# KiCad board vme-wren.kicad_pcb (continued)
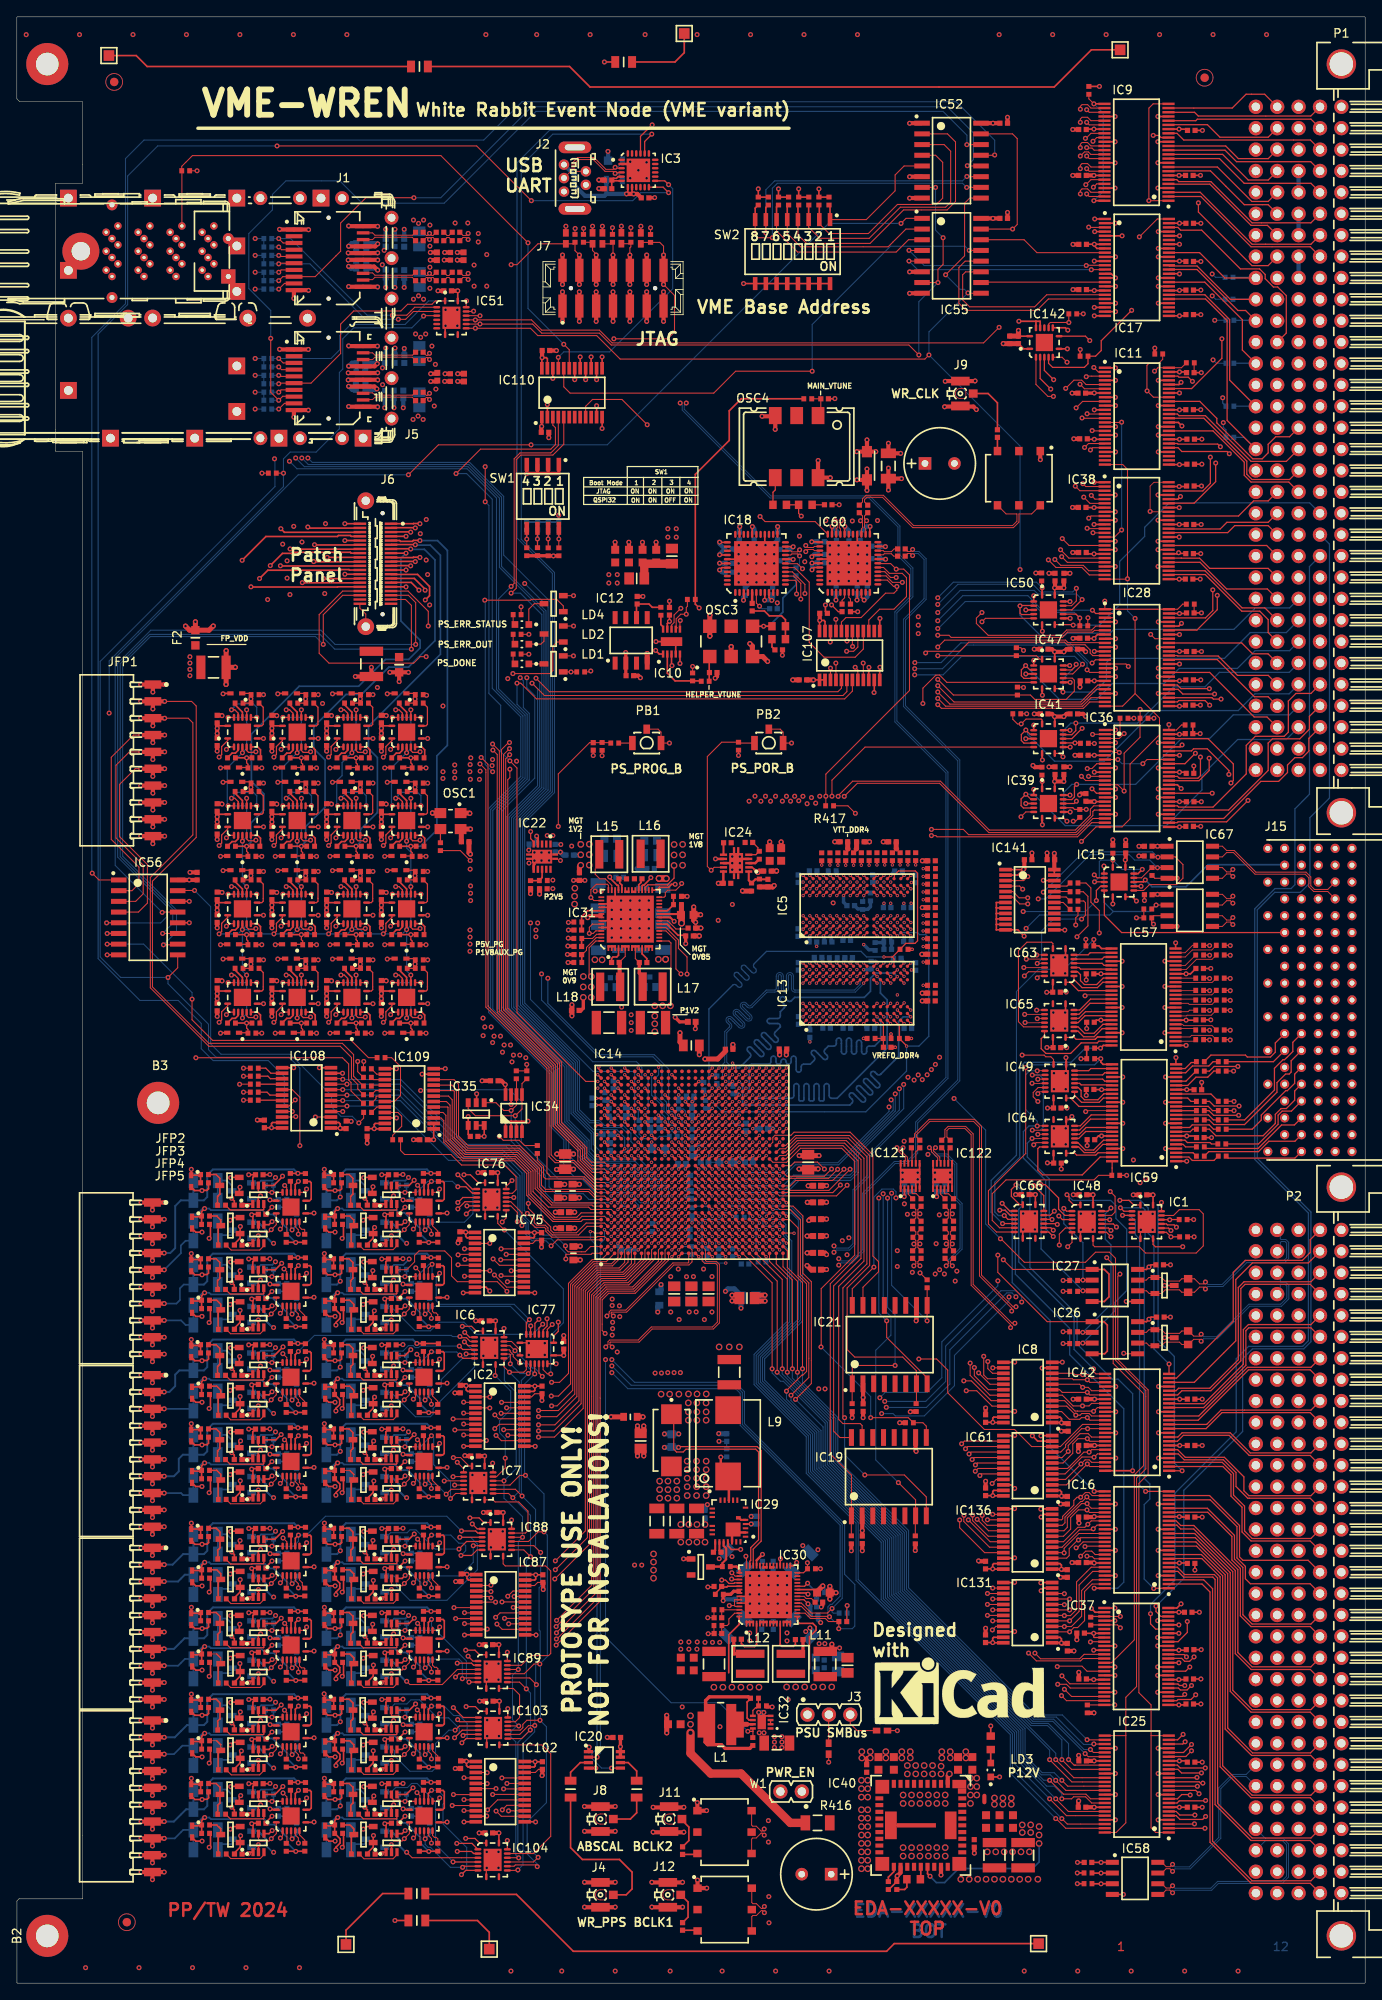
[diagram p0: board, top side]
## Routing (per net, layer and track width the routed paths; a pad name or vN(x,y) marks a point on that pad's centre or on a via; arc(x,y) is an arc through that point) (continued)
/fpga/fpga-hp-banks/F_WR_DAC_DIN: length 115.7
  Top Layer w0.125: IC107.6 98.58,153.35 98.11,152.89 62.65,152.89 v2(61.18,154.35)
  Top Layer w0.15: 75.4,91.07 IC14.J7
  Bottom Layer w0.125: v1(75.39,91.06) 75.78,91.45 75.78,94.45 75.55,94.67 75.23,94.67 75,94.9 75,95.25 74.77,95.47 74.43,95.47 74.2,95.7 74.2,96 73.93,96.27 73.63,96.27 73.4,96.5 73.4,96.8 72.86,97.35 68.65,97.35 67.46,98.53 67.46,99.87 65.07,102.26 65.07,108.78 58.2,115.65 58.2,138.53 61.84,142.17 61.84,153.69 v2(61.18,154.35)
/fpga/fpga-hp-banks/F_WR_DAC_SCLK: length 113.6
  Top Layer w0.125: IC107.5 97.93,153.75 97.51,153.34 63.26,153.34 v2(61.65,154.94)
  Top Layer w0.15: 76.2,92.67 IC14.K9
  Bottom Layer w0.125: v1(76.19,92.66) 76.58,93.05 76.58,94.45 76.35,94.67 76.03,94.67 75.8,94.9 75.8,95.24 75.56,95.47 75.23,95.47 74.98,95.73 74.98,96.06 74.76,96.27 74.43,96.27 74.18,96.53 74.18,96.82 73.41,97.6 68.75,97.6 67.71,98.63 67.71,99.97 65.32,102.36 65.32,108.88 58.47,115.73 58.47,138.45 62.09,142.07 62.09,154.5 v2(61.65,154.94)
/fpga/fpga-hp-banks/F_WR_DAC_SYNC: length 117.8
  Top Layer w0.125: IC107.7 99.23,153.4 98.31,152.49 61.71,152.49 59.84,154.35 v2(59.4,154.35)
  Top Layer w0.15: 74.6,91.87 IC14.H8
  Bottom Layer w0.125: v2(59.4,154.35) 59.4,151.86 60.6,150.66 60.6,142.97 56.98,139.35 56.98,115.57 64.07,108.48 64.07,102.13 66.64,99.57 66.64,98.23 68.62,96.25 71.55,96.25 71.78,96.02 71.78,95.59 71.91,95.45 72.35,95.45 72.58,95.22 72.58,94.93 72.86,94.65 73.95,94.65 74.18,94.42 74.18,94.1 74.43,93.85 74.75,93.85 74.98,93.62 74.98,92.25 v1(74.59,91.86)
/fpga/fpga-hp-banks/F_WR_UART_RXD: length 46.7
  Top Layer w0.125: IC108.4 v2(38.7,103.49)
  Top Layer w0.15: 73,91.87 IC14.F8
  L5 w0.125: v2(38.7,103.49) 45.45,103.49 v2(47.95,105.99)
  Bottom Layer w0.125: v2(47.95,105.99) 48.04,106.08 58.52,106.08 59.9,104.69 59.9,99.89 64.31,95.49 67.09,95.49 68.7,93.87 71.53,93.87 71.78,93.62 71.78,92.53 72.06,92.25 72.6,92.25 v1(72.99,91.86)
/fpga/fpga-hp-banks/F_WR_UART_TXD: length 111.8
  Top Layer w0.125: v2(58.7,165.84) 59.06,166.2 59.06,180.99 59.76,181.69 63.41,181.69 64.3,182.58 IC110.4
  Top Layer w0.15: 74.6,92.67 IC14.H9
  Bottom Layer w0.125: v2(58.7,165.84) 57.21,164.35 57.21,153.69 60.35,150.55 60.35,143.07 56.52,139.24 56.52,115.67 63.82,108.37 63.82,102.03 65.54,100.31 65.54,98.3 68.37,95.47 71.53,95.47 71.78,95.22 71.78,94.9 72.03,94.65 72.35,94.65 72.58,94.42 72.58,94.1 72.83,93.85 73.15,93.85 73.38,93.62 73.38,93.3 74.02,92.66 v1(74.59,92.66)
/fpga/fpga-hp-banks/F_WRCLK_SPI_MISO: length 143.4
  Top Layer w0.125: IC110.9 67.55,187.23 68.36,188.04 71.86,188.04 v2(74.86,185.04)
  Top Layer w0.15: 79.4,92.67 IC14.P9
  L3 w0.125: v1(79.39,92.66) 78.95,93.1 78.95,95.21 78.71,95.46 78.48,95.46 78.15,95.79 78.15,96.85 77.12,97.88 76.84,97.88 76.61,98.1 76.61,104.11 77.4,104.9 77.4,106.36 79.36,108.32 79.36,109.51 81.84,111.98 81.84,118.05 84.9,121.12 84.9,125.27 89.13,129.5 89.13,132.66 90.74,134.27 94.3,134.27 100.34,140.31 100.34,153.02 101.96,154.64 101.96,158.24 106.66,162.94 106.66,167.94 103.86,170.74 103.86,173.74 100.96,176.64 82.16,176.64 74.86,183.94 v2(74.86,185.04) 74.86,185.14
/fpga/fpga-hp-banks/F_WRCLK_SPI_MOSI: length 84.9
  Top Layer w0.125: v2(96.63,156.14) 96.63,156.13 IC107.3
  Top Layer w0.15: 78.6,91.07 IC14.N7
  L3 w0.125: v2(96.63,156.14) 96.63,155.47 99.34,152.76 99.34,140.73 95.19,136.57 90.8,136.57 90.04,135.81 90.04,134.98 86.67,131.61 86.67,128.46 83.9,125.69 83.9,121.53 80.81,118.44 80.81,114.45 80.09,113.73 80.09,111.65 75.89,107.45 74.99,107.45 v1(73.8,106.26)
  L5 w0.125: v1(78.59,91.06) 78.95,91.42 78.95,96.94 78.17,97.72 78.17,98.39 77.94,98.62 77.62,98.62 76.55,99.7 76.55,100.01 75.17,101.39 75.17,104.03 74.15,105.05 73.66,105.05 73.4,105.3 73.4,105.86 v1(73.8,106.26)
/fpga/fpga-hp-banks/F_WRCLK_SPI_SCK: length 83.4
  Top Layer w0.125: v2(97.26,156.74) 97.28,156.72 IC107.4
  Top Layer w0.15: 78.6,92.67 IC14.N9
  L3 w0.125: v2(97.26,156.74) 97.26,155.94 99.59,153.61 99.59,140.62 95.29,136.32 90.9,136.32 90.29,135.71 90.29,134.88 87.52,132.11 87.52,131.48 87.79,131.21 87.79,129.22 84.15,125.58 84.15,121.43 81.06,118.34 81.06,112.27 77.07,108.28 77.07,107.31 74.58,104.82 v1(74.58,103.87)
  L5 w0.125: v1(78.59,92.66) 78.15,93.1 77.59,93.1 77.37,93.32 77.37,98.39 76.34,99.42 76.07,99.42 75.75,99.74 75.75,100.02 75.47,100.3 75.17,100.3 74.95,100.52 74.95,101.05 74.2,101.8 74.2,103.49 v1(74.58,103.87)
/fpga/fpga-mgts/BCLK_B1_DBG_N: length 155
  Top Layer w0.115: TR3.4 87.28,7.9 87.42,8.04 87.83,8.04 88.41,8.62 88.54,8.62 v2(88.78,8.37) ; C482.1 106.62,100.47 106.62,100.84 108.34,102.57 113.71,102.57 114.56,101.72 114.56,84.07 118.32,80.31 v2(118.66,80.31)
  L8 w0.1: v2(118.66,80.31) 118.66,79.98 121.04,77.6 121.04,70.64 122.79,68.89 122.79,62.33 120.94,60.48 120.94,44.04 121.84,43.14 121.84,37.38 120.79,36.33 120.79,25.94 121.37,25.37 125.02,25.37 127.29,23.09 127.29,10.83 123.85,7.39 92.48,7.39 91.26,8.61 89.01,8.61 v2(88.78,8.37)
/fpga/fpga-mgts/BCLK_B1_DBG_P: length 153.7
  Top Layer w0.115: v2(88.78,9.1) 88.54,8.86 88.41,8.86 87.83,9.44 87.42,9.44 87.28,9.57 TR3.6 ; v2(118.15,79.8) 118.15,80.14 114.32,83.97 114.32,101.62 113.61,102.33 108.44,102.33 106.86,100.74 106.86,100.47 C484.1
  L8 w0.1: v2(88.78,9.1) 89.01,8.87 91.37,8.87 92.57,7.66 123.76,7.66 127.03,10.94 127.03,22.98 124.91,25.11 121.26,25.11 120.53,25.83 120.53,36.44 121.58,37.49 121.58,43.03 120.68,43.93 120.68,60.59 122.53,62.44 122.53,68.78 120.78,70.53 120.78,77.49 118.48,79.8 v2(118.15,79.8)
/fpga/fpga-mgts/BCLK_B2_DBG_N: length 151.9
  Top Layer w0.115: C472.1 110.22,100.47 110.22,101.34 110.6,101.73 112.68,101.73 113.57,100.84 113.57,82.97 118.19,78.35 v2(118.53,78.35) ; TR1.4 87.26,17.1 87.4,17.24 87.81,17.24 88.39,17.82 88.52,17.82 v2(88.76,17.57)
  L8 w0.1: v2(88.76,17.57) 88.99,17.81 90.51,17.81 91.53,16.78 91.53,10.23 92.65,9.12 122.68,9.12 124.64,11.08 124.64,17.08 125.34,17.78 125.34,22.64 124.77,23.22 121.37,23.22 119.14,25.44 119.14,40.48 119.49,40.83 119.49,56.59 117.69,58.39 117.69,65.28 119.34,66.93 119.34,77.21 118.53,78.02 v2(118.53,78.35)
/fpga/fpga-mgts/BCLK_B2_DBG_P: length 150.6
  Top Layer w0.115: C473.1 110.46,100.47 110.46,101.23 110.71,101.49 112.58,101.49 113.33,100.74 113.33,82.87 118.02,78.18 v2(118.02,77.84) ; v2(88.76,18.3) 88.52,18.06 88.39,18.06 87.81,18.64 87.4,18.64 87.26,18.77 TR1.6
  L8 w0.1: v2(88.76,18.3) 88.99,18.07 90.62,18.07 91.79,16.89 91.79,10.34 92.74,9.39 122.59,9.39 124.38,11.19 124.38,17.19 125.08,17.89 125.08,22.53 124.66,22.96 121.26,22.96 118.88,25.33 118.88,40.59 119.23,40.94 119.23,56.48 117.43,58.28 117.43,65.39 119.08,67.04 119.08,77.1 118.35,77.84 v2(118.02,77.84)
/fpga/fpga-mgts/IC121_O1_N: length 19.7
  Top Layer w0.115: v2(107.25,85.17) 107.01,85.41 107.01,85.68 C481.2 ; IC121.10 105.86,97.61 105.76,97.72 105.76,98.08 105.01,98.83 105.01,98.95 v2(105.25,99.2)
  L8 w0.1: v2(107.25,85.17) 107.02,85.4 107.02,85.81 108.44,87.23 108.44,92.74 106.09,95.09 106.09,96.59 105.02,97.67 105.02,98.96 v2(105.25,99.2)
/fpga/fpga-mgts/IC121_O1_P: length 19.7
  Top Layer w0.115: v2(104.52,99.2) 104.77,98.95 104.77,98.73 105.52,97.98 105.52,97.72 105.41,97.61 IC121.11 ; C483.2 106.77,85.68 106.77,85.41 v2(106.53,85.17)
  L8 w0.1: v2(104.52,99.2) 104.76,98.96 104.76,97.56 105.83,96.48 105.83,94.98 108.18,92.63 108.18,87.34 106.76,85.91 106.76,85.4 v2(106.53,85.17)
/fpga/fpga-mgts/IC122_O1_N: length 20.4
  Top Layer w0.115: C470.2 110.86,85.68 110.86,85.41 v2(111.1,85.17) ; IC122.10 109.71,97.61 109.61,97.72 109.61,98.08 108.86,98.83 108.86,98.95 v2(109.1,99.2)
  Bottom Layer w0.115: v2(111.1,85.17) 110.86,85.41 110.86,85.75 112.25,87.15 112.25,92.58 111.63,93.2 111.63,97.29 110.46,98.46 109.22,98.46 108.86,98.82 108.86,98.95 v2(109.1,99.2)
/fpga/fpga-mgts/IC122_O1_P: length 20.4
  Top Layer w0.115: C471.2 110.62,85.68 110.62,85.41 v2(110.38,85.17) ; IC122.11 109.26,97.61 109.37,97.72 109.37,97.98 108.62,98.73 108.62,98.95 v2(108.37,99.2)
  Bottom Layer w0.115: v2(108.37,99.2) 108.62,98.95 108.62,98.72 109.12,98.22 110.36,98.22 111.39,97.19 111.39,93.1 112.01,92.48 112.01,87.25 110.62,85.85 110.62,85.41 v2(110.38,85.17)
/fpga/fpga-mgts/SansDAC_BCLK_B1_N: length 34
  Top Layer w0.115: C476.2 107.01,91.86 107.01,90.86 107.39,90.48 ; IC14.W3 84.18,87.87
  L8 w0.1: v1(84.19,87.86) 84.19,87.59 84.57,87.22 84.57,84.88 85.24,84.21 90.4,84.21 91.93,82.68 98.2,82.68 103.81,88.28 105.89,88.28 107.02,89.41 107.02,91.11 v2(107.25,91.35)
/fpga/fpga-mgts/SansDAC_BCLK_B1_P: length 34
  Top Layer w0.115: IC14.W4 84.18,88.67 ; 106.39,90.48 106.77,90.86 106.77,91.86 C477.2
  L8 w0.1: v1(84.19,88.66) 84.57,88.29 84.57,87.58 84.83,87.32 84.83,84.99 85.35,84.47 90.51,84.47 92.04,82.94 98.1,82.94 103.7,88.54 105.78,88.54 106.76,89.52 106.76,91.1 v2(106.52,91.34)
/fpga/fpga-mgts/SansDAC_BCLK_B2_N: length 43.7
  Top Layer w0.115: C474.2 110.86,90.86 110.86,91.86 C469.2 ; IC14.U3 82.58,87.87
  L8 w0.1: v1(82.59,87.86) 82.59,87.59 82.97,87.22 82.97,84.15 84.67,82.45 90.43,82.45 91.5,81.38 107.6,81.38 108.24,82.02 108.24,85.23 109.93,86.92 109.93,88 110.87,88.93 110.87,91.11 v2(111.1,91.35)
/fpga/fpga-mgts/SansDAC_BCLK_B2_P: length 43.7
  Top Layer w0.115: IC14.U4 82.58,88.67 ; C468.2 110.62,91.86 110.62,90.86 C475.2
  L8 w0.1: v1(82.59,88.66) 82.97,88.29 82.97,87.58 83.23,87.32 83.23,84.26 84.78,82.71 90.54,82.71 91.61,81.64 107.49,81.64 107.98,82.13 107.98,85.34 109.67,87.03 109.67,88.1 110.61,89.04 110.61,91.1 v2(110.37,91.34)
/fpga/GTH_BCLK_B1_N: length 25.2
  Top Layer w0.115: IC14.AF6 89.39,90.68 v1(89.77,91.06) ; C481.1 107.01,87.34 107.01,88.18 107.36,88.53 107.36,88.57 107.01,88.92 107.01,89.2 107.39,89.58
  L10 w0.1: v2(107.25,87.77) 107.02,87.53 107.02,87.06 106.62,86.66 105.61,86.66 105.02,87.24 105.02,88.95 102.52,91.46 90.46,91.46 90.22,91.22 89.92,91.22 v1(89.77,91.06)
/fpga/GTH_BCLK_B1_P: length 25.6
  Top Layer w0.115: 106.39,89.58 106.77,89.2 106.77,88.92 106.42,88.57 106.42,88.53 106.77,88.18 106.77,87.34 C483.1 ; v1(89.01,91.06) 89.39,91.44
  L10 w0.1: v1(89.01,91.06) 89.41,91.46 90.09,91.46 90.35,91.72 102.62,91.72 105.28,89.06 105.28,87.35 105.72,86.92 106.51,86.92 106.76,87.16 106.76,87.53 v2(106.53,87.77)
/fpga/GTH_BCLK_B2_N: length 31.2
  Top Layer w0.115: IC14.AF5 89.78,89.47 ; C474.1 110.86,89.2 110.86,88.92 111.21,88.57 R445.2 111.21,88.53 110.86,88.18 110.86,87.34 C470.1
  L10 w0.1: v2(111.1,87.77) 110.87,88 110.87,88.81 110.56,89.13 109.25,89.13 108.33,88.21 108.33,87.04 107.33,86.04 104.56,86.04 103.93,86.66 103.93,88.57 102.55,89.96 91.96,89.96 91.6,89.59 91.01,89.59 90.76,89.84 90.17,89.84 v1(89.79,89.46)
/fpga/GTH_BCLK_B2_P: length 31.6
  Top Layer w0.115: IC14.AE5 88.98,89.47 ; C475.1 110.62,89.2 110.62,88.92 110.27,88.57 R445.1 110.27,88.53 110.62,88.18 110.62,87.34 C471.1
  L10 w0.1: v1(88.99,89.46) 89.26,89.19 89.26,89.19 89.36,89.09 90.77,89.09 91.02,89.33 91.7,89.33 92.07,89.7 102.44,89.7 103.67,88.46 103.67,86.55 104.45,85.78 107.44,85.78 108.59,86.93 108.59,88.1 109.36,88.87 110.45,88.87 110.61,88.71 110.61,88 v2(110.38,87.77)
/fpga/PL_UART_RXD: length 201.2
  Top Layer w0.125: v2(61.1,211.64) 54.6,218.14 v2(30.9,218.14) ; v2(32.71,103.49) IC108.21
  Top Layer w0.15: IC3.12 76.75,213.24 v2(77.4,212.59)
  Bottom Layer w0.125: v2(77.4,212.59) 74.09,212.59 73.14,211.64 v2(61.1,211.64) ; v2(30.9,218.14) 16.73,218.14 13.15,214.57 13.15,199.3 9.65,195.8 9.65,121.65 14.63,116.68 19.17,116.68 21.9,113.94 21.9,110.94 23.31,109.54 29.86,109.54 31.76,107.64 31.76,104.44 v2(32.71,103.49)
/fpga/PL_UART_TXD: length 32.6
  Top Layer w0.125: IC110.21 v2(64.3,193.04)
  Top Layer w0.15: v2(77.4,213.54) 76.95,213.99 IC3.13
  Bottom Layer w0.125: v2(77.4,213.54) 77.89,213.05 77.89,201.18 70.4,193.69 64.95,193.69 v2(64.3,193.04)
/fpga/PS_POR_B: length 60
  Top Layer w0.12: IC24.9 82.81,132.49 v2(82.46,132.14)
  Top Layer w0.125: PB2.2 85.8,147.24 R168.1 83.7,147.34 82,145.64 82,132.59 v2(82.46,132.14)
  Top Layer w0.15: 79.4,99.06 IC14.P16
  L3 w0.125: v2(82.46,132.14) 82.46,120.85 80.09,118.47 80.09,115.18 76.22,111.31 v1(76.22,108.76)
  Bottom Layer w0.125: v1(76.22,108.76) 76.22,107.85 75.8,107.44 75.8,105.39 76.85,104.34 76.85,103.54 77.4,102.99 77.4,102.1 77.63,101.87 77.95,101.87 78.2,101.62 78.2,101.3 78.43,101.07 78.88,101.07 79,100.96 79,99.45 v1(79.39,99.06)
/fpga/PS_UART_RXD: length 148.8
  Top Layer w0.15: 74.6,99.06 IC14.H16 ; v2(75.41,219.54) 75.43,219.54 74.56,218.67 IC3.20
  Bottom Layer w0.125: v2(75.4,219.54) 63.65,219.54 59.9,215.79 59.9,171.43 63.85,167.48 63.85,141.35 60.31,137.81 60.31,116.37 68.43,108.25 73.15,108.25 73.38,108.02 73.38,100.86 74.18,100.06 74.18,99.47 v1(74.59,99.06)
/fpga/PS_UART_TXD: length 150.4
  Top Layer w0.15: 73.78,99.06 IC14.F16 ; v2(75.45,220.64) 75.42,220.61 75.39,220.61 74.06,219.28 IC3.21
  Bottom Layer w0.125: v2(75.45,220.64) 74.8,219.99 63.25,219.99 59.4,216.13 59.4,171.59 63.6,167.38 63.6,141.46 60.06,137.92 60.06,116.26 66.82,109.5 66.82,103.7 68.12,102.41 69.2,102.41 69.78,101.84 72.01,101.84 72.93,100.92 72.93,99.92 v1(73.79,99.06)
/fpga/USERIO_A.DIR0: length 35.8
  Top Layer w0.15: IC1.15 v2(135.94,92.7) ; IC42.1 138.38,60.84 v2(138.39,60.84)
  Bottom Layer w0.15: v2(138.39,60.84) 137.46,61.76 137.46,74.41 135.54,76.34 135.54,92.3 v2(135.94,92.7)
/fpga/USERIO_A.DIR1: length 27.2
  Top Layer w0.15: v2(136.84,73.51) 136.84,72.35 IC42.24 ; v2(130.99,92.95) 132.09,92.95 132.63,92.4 IC1.1
  Bottom Layer w0.15: v2(130.99,92.95) 133.45,92.95 134.36,92.04 134.36,89.04 135.04,88.36 135.04,75.31 v2(136.84,73.51)
/fpga/USERIO_A.DIR2: length 52.4
  Top Layer w0.15: v2(135.01,46.86) 135.04,46.89 IC16.1 ; v2(131.06,92.06) 131.48,91.65 IC1.2
  Bottom Layer w0.15: v2(131.06,92.06) 133.74,92.06 133.99,91.81 133.99,88.34 133.89,88.24 133.89,59.94 134.55,59.27 134.55,57.49 133.89,56.82 133.89,47.99 v2(135.01,46.86)
/fpga/USERIO_A.DIR3: length 38.3
  Top Layer w0.15: v2(134.05,58.39) IC16.24 ; IC1.3 131.93,91.15 131.91,91.16 v2(131.31,91.16)
  Bottom Layer w0.15: v2(134.05,58.39) 133.34,59.11 133.34,88.36 132.84,88.86 132.84,90.46 132.14,91.16 v2(131.31,91.16)
/fpga/USERIO_A.IO0: length 69.8
  Top Layer w0.125: IC42.46 127.64,61.84 127.35,62.13 126.87,62.13 v2(126.38,61.64) 124.55,59.81 IC61.4
  Top Layer w0.15: IC14.T6 81.78,90.27
  L5 w0.125: v2(126.38,61.64) 122.9,61.64 113.35,71.19 113.35,72.41 112.43,73.34 112.43,76.73 108.95,80.21 91.49,80.21 89.36,82.34 87.18,82.34 85.97,83.55 84.35,83.55 81.4,86.5 81.4,89.87 v1(81.79,90.26)
/fpga/USERIO_A.IO1: length 71.7
  Top Layer w0.125: IC42.47 127.43,61.34 v2(127.13,61.64) 124.65,59.16 IC61.3
  Top Layer w0.15: IC14.U8 82.58,91.87
  L5 w0.125: v2(127.13,61.64) 126.64,62.13 122.77,62.13 113.6,71.3 113.6,72.51 112.68,73.44 112.68,76.83 109.05,80.46 91.59,80.46 89.47,82.59 87.28,82.59 86.07,83.8 84.45,83.8 82.2,86.05 82.2,91.47 v1(82.59,91.86)
/fpga/USERIO_A.IO2: length 71.3
  Top Layer w0.125: IC42.44 128.33,62.84 v2(127.93,62.44) 127.9,62.47 126.49,62.47 124.49,60.46 IC61.5
  Top Layer w0.15: IC14.V8 83.38,91.87
  L5 w0.125: v2(127.93,62.44) 123.2,62.44 122.74,62.9 122.74,64.83 113.7,73.87 113.7,76.16 109.15,80.71 91.7,80.71 89.57,82.84 87.39,82.84 86.17,84.05 84.55,84.05 83,85.6 83,91.47 v1(83.39,91.86)
/fpga/USERIO_A.IO3: length 73.5
  Top Layer w0.125: IC61.6 124.78,61.11 126.72,63.05 v2(127.35,63.05) 127.64,63.34 IC42.43
  Top Layer w0.15: IC14.Y8 84.98,91.87
  L5 w0.125: v1(84.19,85.5) 85.14,84.55 86.38,84.55 87.57,83.37 89.75,83.37 91.9,81.21 109.36,81.21 114.25,76.33 114.25,74.03 123.88,64.39 126,64.39 v2(127.35,63.05)
  Bottom Layer w0.125: v1(84.99,91.86) 84.6,91.47 84.03,91.47 83.78,91.22 83.78,90.9 83.55,90.67 81.65,90.67 81.38,90.41 81.38,85.88 81.76,85.5 v1(84.19,85.5)
/fpga/USERIO_A.IO4: length 67.1
  Top Layer w0.125: IC61.7 124.25,61.76 125.4,62.92 125.4,64.03 126.02,64.64 v2(127.13,64.64) 127.43,64.34 IC42.41
  Top Layer w0.15: IC14.AB5 86.58,89.47
  L5 w0.125: v2(127.13,64.64) 124.05,64.64 116.53,72.17 116.53,74.4 109.46,81.46 92.01,81.46 89.86,83.62 87.67,83.62 86.48,84.8 85.89,84.8 84.6,86.09 84.6,88.82 84.83,89.05 85.28,89.05 85.4,89.18 85.4,89.62 85.63,89.85 86.2,89.85 v1(86.59,89.46)
/fpga/USERIO_A.IO5: length 67
  Top Layer w0.125: IC42.40 127.64,64.84 127.24,65.24 126.26,65.24 124.86,63.85 v2(124.86,63.14) 124.14,62.41 122.96,62.41
  Top Layer w0.15: IC14.W8 84.18,91.87
  L5 w0.125: v1(84.19,91.86) 83.8,91.47 83.8,85.16 84.66,84.3 86.28,84.3 87.46,83.12 89.65,83.12 91.8,80.96 109.26,80.96 113.95,76.27 113.95,73.97 124.79,63.14 v2(124.86,63.14)
/fpga/USERIO_A.IO6: length 65.3
  Top Layer w0.125: IC42.38 127.17,65.84 v2(127.16,65.84) 126.45,65.84 124.55,63.94 124.55,63.64 123.97,63.06 IC61.9
  Top Layer w0.15: IC14.AC4 87.38,88.67
  L5 w0.125: v2(127.16,65.84) 126.68,65.35 125.86,65.35 125.16,66.05 123,66.05 116.78,72.27 116.78,74.5 109.57,81.71 92.11,81.71 89.96,83.87 87.77,83.87 86.59,85.05 85.99,85.05 85.38,85.66 85.38,88.8 85.63,89.05 87,89.05 v1(87.39,88.66)
/fpga/USERIO_A.IO7: length 78.8
  Top Layer w0.125: v2(107.12,74.11) 109.24,74.11 110.55,72.79 110.55,70.09 114.91,65.74 118.49,65.74 120.52,63.71 IC61.10 123.94,63.71 126.57,66.34 IC42.37
  Top Layer w0.15: 72.2,91.87 IC14.E8
  L5 w0.125: v2(107.12,74.11) 106.42,74.81 80.73,74.81 77.13,78.42 77.13,80.11 76.44,80.79 75.49,80.79 71,85.28 71,91.22 71.26,91.47 71.8,91.47 72.02,91.69 v1(72.19,91.86)
/fpga/USERIO_A.IO8: length 56.2
  Top Layer w0.125: IC42.35 127.64,67.34 127.35,67.63 126.47,67.63 126.27,67.44 v2(125.76,67.44) 124.69,68.51 IC8.4 122.88,68.51 122.8,68.44
  Top Layer w0.15: IC14.AB2 86.58,87.07
  L5 w0.125: v1(86.59,87.06) 86.59,86.18 88.4,84.37 90.17,84.37 92.32,82.21 109.77,82.21 117.28,74.71 117.28,73.57 123.41,67.44 v2(125.76,67.44)
/fpga/USERIO_A.IO9: length 60
  Top Layer w0.125: IC8.3 124.08,67.86 124.99,66.95 126.23,66.95 126.42,67.14 v2(127.13,67.14) 127.43,66.84 IC42.36
  Top Layer w0.15: IC14.AB4 86.58,88.67
  L5 w0.125: v1(86.59,88.66) 86.18,88.25 86.18,85.81 87.88,84.12 90.06,84.12 92.21,81.96 109.67,81.96 117.03,74.61 117.03,73.46 123.31,67.19 124.45,67.19 124.69,66.95 126.31,66.95 126.51,67.14 v2(127.13,67.14)
/fpga/USERIO_A.IO10: length 58.5
  Top Layer w0.125: IC8.5 124.44,69.16 125.68,67.92 125.96,67.92 125.97,67.92 127.85,67.92 v2(127.88,67.89) 128.33,68.34 IC42.33
  Top Layer w0.15: IC14.AB3 86.58,87.87
  L5 w0.125: v1(86.59,87.86) 87,87.45 87,86.21 88.59,84.62 88.66,84.62 88.67,84.62 90.27,84.62 92.42,82.46 109.88,82.46 117.53,74.81 117.53,73.67 122.91,68.29 125.6,68.29 125.99,67.89 v2(127.88,67.89)
/fpga/USERIO_A.IO11: length 55.5
  Top Layer w0.125: IC42.32 127.64,68.84 127.34,68.54 v2(126.56,68.54) 125.44,68.54 124.17,69.81 IC8.6
  Top Layer w0.15: IC14.AC2 87.38,87.07
  L5 w0.125: v2(126.56,68.54) 123.02,68.54 117.78,73.77 117.78,74.92 109.98,82.71 92.53,82.71 90.37,84.87 88.77,84.87 88.76,84.87 88.69,84.87 87.39,86.18 v1(87.39,87.06)
/fpga/USERIO_A.IO12: length 54.9
  Top Layer w0.125: IC8.7 123.84,70.46 124.15,70.14 v2(127.13,70.14) 127.43,69.84 IC42.30
  Top Layer w0.15: IC14.AC3 87.38,87.87
  L5 w0.125: v2(127.13,70.14) 122.9,70.14 120.81,72.24 110.09,82.96 92.63,82.96 90.48,85.12 88.87,85.12 87.78,86.21 87.78,87.47 v1(87.39,87.86)
/fpga/USERIO_A.IO13: length 52.8
  Top Layer w0.125: IC42.29 127.64,70.34 127.24,70.74 v2(126.58,70.74) 126.21,71.11 IC8.8
  Top Layer w0.15: IC14.AD2 v1(88.18,87.07)
  L5 w0.125: v1(88.18,87.07) 88.18,86.16 88.98,85.37 90.58,85.37 92.73,83.21 110.19,83.21 118.48,74.92 122.66,70.74 v2(126.58,70.74)
/fpga/USERIO_A.IO14: length 54.3
  Top Layer w0.125: IC42.27 127.43,71.34 v2(127.13,71.64) 125.48,71.64 125.36,71.76 IC8.9
  Top Layer w0.15: IC14.AD4 88.18,88.67
  L5 w0.125: v1(88.19,88.66) 88.6,88.26 88.6,86.1 89.08,85.62 90.68,85.62 92.84,83.46 110.29,83.46 122.11,71.64 v2(127.13,71.64)
/fpga/USERIO_A.IO15: length 51.2
  Top Layer w0.125: v2(126.58,72.24) 127.24,72.24 127.64,71.84 IC42.26 ; v2(126.58,72.24) 126.41,72.41 ; v2(126.58,72.24) 125.66,72.24 125.5,72.41 IC8.10
  Top Layer w0.15: IC14.AE2 v1(88.98,87.07)
  L5 w0.125: v1(88.98,87.07) 88.98,86.82 89.93,85.87 90.79,85.87 92.94,83.71 110.4,83.71 121.87,72.24 v2(126.58,72.24)
/fpga/USERIO_A.IO16: length 101.2
  Top Layer w0.125: IC131.4 124.38,42.36 v2(124.4,42.34) 125.23,42.34 126.45,43.56 126.45,46.61 127.73,47.89 IC16.46
  Top Layer w0.15: 77.8,90.27 IC14.M6
  L5 w0.125: v1(77.79,90.26) 77.4,90.65 75.55,90.65 74.75,89.85 72.83,89.85 72.6,89.62 72.6,84.38 75.7,81.29 77.15,81.29 78.85,79.58 78.85,79.29 81.68,76.46 101.25,76.46 102.4,75.31 106.99,75.31 108.68,73.63 108.68,68.53 117.04,60.17 117.04,58.81 118.21,57.64 119.57,57.64 120.13,57.08 120.13,52.45 122.9,49.67 122.9,43.84 v2(124.4,42.34)
/fpga/USERIO_A.IO17: length 101
  Top Layer w0.125: IC131.3 v2(125.03,41.71) 125.53,42.21 125.98,42.21 126.8,43.04 126.8,46.5 127.69,47.39 IC16.47
  Top Layer w0.15: 72.2,91.07 IC14.E7
  L5 w0.125: v1(72.19,91.06) 71.92,90.79 71.9,90.79 71.8,90.69 71.8,84.83 75.59,81.04 77.04,81.04 78.17,79.92 78.17,77.73 79.69,76.21 101.15,76.21 102.3,75.06 106.89,75.06 108.43,73.52 108.43,65.49 115.08,58.84 116.65,58.84 118.1,57.39 119.46,57.39 119.88,56.98 119.88,52.34 122.62,49.59 122.62,43.41 124.32,41.71 v2(125.03,41.71)
/fpga/USERIO_A.IO18: length 95.3
  Top Layer w0.125: IC131.5 v2(125.03,43.01) 126.15,44.14 126.15,47.26 127.78,48.89 IC16.44
  Top Layer w0.15: 73.8,89.47 IC14.G5
  L5 w0.125: v1(73.79,89.46) 73.4,89.07 73.4,83.94 75.8,81.54 77.25,81.54 79.1,79.69 79.1,79.4 81.79,76.71 91.29,76.71 101.36,76.71 102.51,75.56 107.1,75.56 108.93,73.73 108.93,68.63 117.29,60.27 117.29,58.91 118.31,57.89 119.67,57.89 120.38,57.19 120.38,52.58 123.17,49.79 123.17,44.16 124.32,43.01 v2(125.03,43.01)
/fpga/USERIO_A.IO19: length 96.3
  Top Layer w0.125: IC131.6 124.38,43.66 v2(124.4,43.64) 125.13,43.64 125.85,44.36 125.85,47.64 127.6,49.39 IC16.43
  Top Layer w0.15: 77,90.27 IC14.L6
  L5 w0.125: v2(124.4,43.64) 123.45,44.59 123.45,49.9 120.63,52.72 120.63,57.29 119.78,58.14 118.41,58.14 117.54,59.01 117.54,60.37 109.18,68.74 109.18,73.84 107.2,75.81 102.61,75.81 101.46,76.96 88.51,76.96 85.83,76.96 81.89,76.96 79.35,79.5 79.35,79.79 77.35,81.79 75.9,81.79 74.2,83.49 74.2,88.8 74.45,89.05 74.77,89.05 75.57,89.85 76.58,89.85 v1(76.99,90.26)
/fpga/USERIO_A.IO20: length 91.8
  Top Layer w0.125: IC16.41 127.97,50.39 127.72,50.64 127.14,50.64 v2(127.09,50.69) ; IC131.7 v2(125.03,44.31)
  Top Layer w0.15: IC14.J5 76.18,89.47
  L3 w0.125: v2(127.09,50.69) 127.09,46.37 v2(125.03,44.31)
  L5 w0.125: v1(76.19,89.46) 75.64,89.46 75,88.82 75,83.04 76.01,82.04 77.46,82.04 79.31,80.19 80.88,80.19 81.17,79.9 81.17,78.38 82.34,77.21 88.41,77.21 92.33,77.21 101.56,77.21 102.72,76.06 107.3,76.06 109.43,73.94 109.43,68.84 120.88,57.39 120.88,52.83 123.26,50.44 125.9,50.44 126.14,50.21 126.6,50.21 v2(127.09,50.69)
/fpga/USERIO_A.IO21: length 84.7
  Top Layer w0.125: IC131.8 124.38,44.96 v2(124.4,44.94) ; v2(126.34,50.69) 126.94,51.29 127.66,51.29 128.06,50.89 IC16.40
  Top Layer w0.15: 76.2,87.87 IC14.K3
  L3 w0.125: v2(126.34,50.69) 126.34,46.15 125.12,44.94 v2(124.4,44.94)
  L5 w0.125: v1(76.19,87.86) 76.19,84.01 79.52,80.69 81.17,80.69 82.07,79.79 82.07,79.49 83.84,77.71 88.2,77.71 101.77,77.71 102.92,76.56 107.51,76.56 109.93,74.15 109.93,69.05 122.13,56.84 122.13,55.6 124.42,53.31 124.42,52.03 125.76,50.69 v2(126.34,50.69)
/fpga/USERIO_A.IO22: length 89.5
  Top Layer w0.125: v2(126.85,51.84) 126.9,51.89 IC16.38 ; IC131.9 v2(125.03,45.61)
  Top Layer w0.15: 76.2,88.67 IC14.K4
  L3 w0.125: v2(126.85,51.84) 126.85,52.53 126.28,53.1 125.87,53.1 125.32,52.54 125.32,51 124.83,50.51 124.83,47.35 123.92,46.44 123.92,46.04 124.34,45.61 v2(125.03,45.61)
  L5 w0.125: v2(126.85,51.84) 126.22,51.2 125.6,51.2 124.67,52.14 124.67,53.42 122.38,55.7 122.38,56.95 110.18,69.15 110.18,74.25 107.62,76.81 103.03,76.81 101.88,77.96 91.81,77.96 88.1,77.96 85.02,77.96 82.05,80.94 79.62,80.94 76.58,83.98 76.58,88.27 v1(76.19,88.66)
/fpga/USERIO_A.IO23: length 81.6
  Top Layer w0.125: IC16.37 126.62,52.39 125.92,51.69 v2(125.8,51.69) ; v2(124.4,46.24) 124.38,46.26 IC131.10
  Top Layer w0.15: 77,87.87 IC14.L3
  L3 w0.125: v2(125.8,51.69) 125.8,47.64 v2(124.4,46.24)
  L5 w0.125: v2(125.8,51.69) 125.06,52.43 125.06,53.37 122.63,55.8 122.63,57.05 110.43,69.25 110.43,74.35 107.72,77.06 103.13,77.06 101.98,78.21 91.91,78.21 85.12,78.21 82.15,81.19 80.6,81.19 78.54,83.24 78.54,83.69 76.99,85.24 v1(76.99,87.86)
/fpga/USERIO_A.IO24: length 81.8
  Top Layer w0.125: IC16.35 126.13,53.39 124.38,51.63 v2(124.38,51.09) 124.35,51.11 IC136.4
  Top Layer w0.15: 75.4,88.67 IC14.J4
  L5 w0.125: v1(75.39,88.66) 75.78,88.27 75.78,82.62 76.11,82.29 77.56,82.29 79.41,80.44 81.02,80.44 81.82,79.64 81.82,79.38 83.74,77.46 88.31,77.46 101.67,77.46 102.82,76.31 107.41,76.31 109.68,74.04 109.68,68.94 121.13,57.5 121.13,52.93 122.97,51.09 v2(124.38,51.09)
/fpga/USERIO_A.IO25: length 79
  Top Layer w0.125: IC16.36 126.35,52.89 v2(126.08,52.62) 125.99,52.62 124.98,51.6 124.98,50.76 124.68,50.46 IC136.3
  Top Layer w0.15: 77,89.47 IC14.L5
  L5 w0.125: v2(126.08,52.62) 126.08,52.71 122.88,55.91 122.88,57.15 110.68,69.36 110.68,74.46 107.82,77.31 103.23,77.31 102.08,78.46 92.01,78.46 85.23,78.46 82.25,81.44 80.7,81.44 78.79,83.35 78.79,83.79 77.4,85.18 77.4,89.05 v1(76.99,89.46)
